# KiCad board SparkFun_GNSS_pHAT_panelized.kicad_pcb (continued)
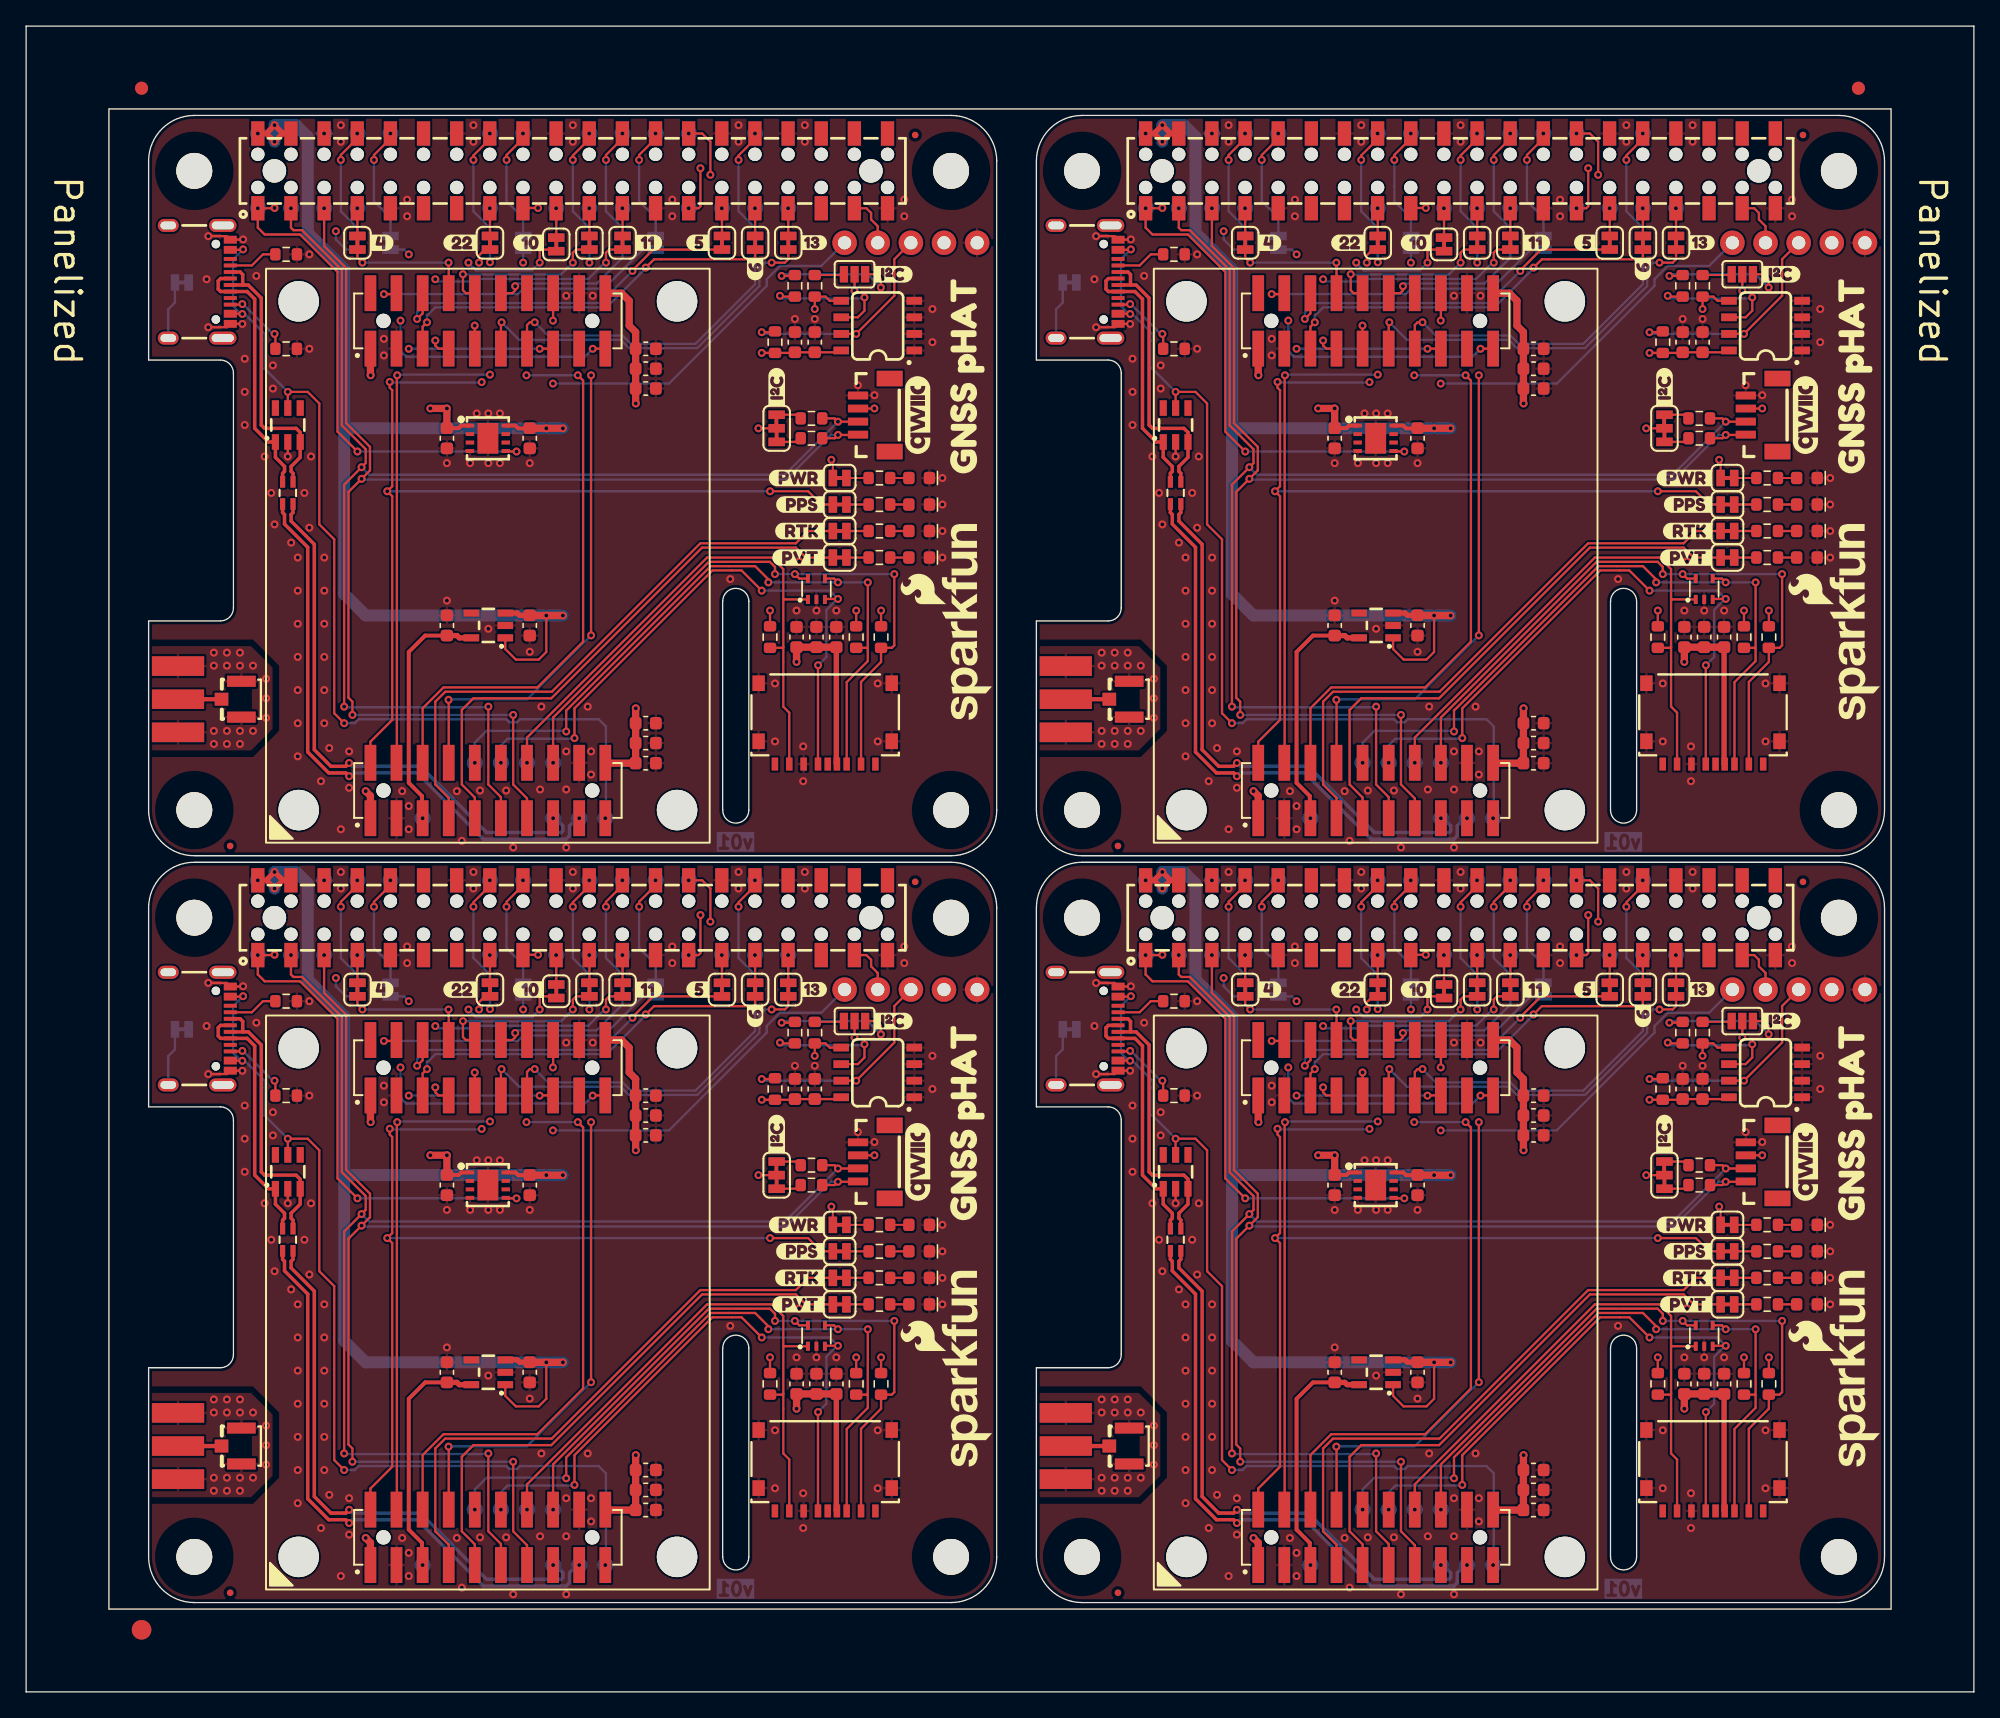
[diagram p0: board, top side]
## Footprints (pads in the part's own frame, mm; a bottom-side part is the same pattern mirrored in y, then rotated) (continued)
LED_0603_1608Metric_Red
  rrect 0.875x0.95 smd: 1(-0.787,0) 2(0.787,0)
LED_0603_1608Metric_White
  rrect 0.875x0.95 smd: 1(-0.787,0) 2(0.787,0)
LED_0603_1608Metric_Yellow
  rrect 0.875x0.95 smd: 1(-0.787,0) 2(0.787,0)
microSD_Friction_Fit_Common
  rect 0.5x1 smd: 1(3.85,-3.975) 2(2.75,-3.975) 3(1.65,-3.975) 4(0.9,-3.975) 5(-0.55,-3.975) 6(-1.65,-3.975) 7(-2.75,-3.975) 8(-3.85,-3.975) 9(0.2,-3.975)
  rect 0.95x1.2 smd: 10(-5.1,2.225) 10(-5.1,-2.225) 10(5.1,2.225) 10(5.1,-2.225)
R_0603_1608Metric
  rrect 0.8x0.95 smd: 1(-0.825,0) 2(0.825,0)
Raspberry_Pi_Shield_Top_Entry_No_Mounting_Holes
  round 1.02 hole 1.02 unplated: (-1.27,24.13) (-1.27,21.59) (-1.27,19.05) (-1.27,16.51) (-1.27,13.97) (-1.27,11.43) (-1.27,8.89) (-1.27,6.35) (-1.27,3.81) (-1.27,1.27) (-1.27,-1.27) (-1.27,-3.81) (-1.27,-6.35) (-1.27,-8.89) (-1.27,-11.43) (-1.27,-13.97) (-1.27,-16.51) (-1.27,-19.05) (-1.27,-21.59) (-1.27,-24.13) (1.27,24.13) (1.27,21.59) (1.27,19.05) (1.27,16.51) (1.27,13.97) (1.27,11.43) (1.27,8.89) (1.27,6.35) (1.27,3.81) (1.27,1.27) (1.27,-1.27) (1.27,-3.81) (1.27,-6.35) (1.27,-8.89) (1.27,-11.43) (1.27,-13.97) (1.27,-16.51) (1.27,-19.05) (1.27,-21.59) (1.27,-24.13)
  round 1.8 hole 1.8 unplated: (0,22.86) (0,-22.86)
  rect 1.87x1.02 smd: 1(-2.865,24.13) 2(2.865,24.13) 3(-2.865,21.59) 4(2.865,21.59) 5(-2.865,19.05) 6(2.865,19.05) 7(-2.865,16.51) 8(2.865,16.51) 9(-2.865,13.97) 10(2.865,13.97) 11(-2.865,11.43) 12(2.865,11.43) 13(-2.865,8.89) 14(2.865,8.89) 15(-2.865,6.35) 16(2.865,6.35) 17(-2.865,3.81) 18(2.865,3.81) 19(-2.865,1.27) 20(2.865,1.27) 21(-2.865,-1.27) 22(2.865,-1.27) 23(-2.865,-3.81) 24(2.865,-3.81) 25(-2.865,-6.35) 26(2.865,-6.35) 27(-2.865,-8.89) 28(2.865,-8.89) 29(-2.865,-11.43) 30(2.865,-11.43) 31(-2.865,-13.97) 32(2.865,-13.97) 33(-2.865,-16.51) 34(2.865,-16.51) 35(-2.865,-19.05) 36(2.865,-19.05) 37(-2.865,-21.59) 38(2.865,-21.59) 39(-2.865,-24.13) 40(2.865,-24.13)
RFCMF1220100M4T
  rect 0.9x0.4 smd: 1(-0.85,0.4) 2(0.85,0.4) 3(-0.85,-0.4) 4(0.85,-0.4)
SMA_Edge
  rect 1.5x4 smd: 1(0,0) 2(-2.54,0) 2(2.54,0)
  rect 1.5x4 smd far side: 2(-2.54,0) 2(2.54,0)
SO-8
  rect 1.2x0.6 smd: 1(-2.8,1.905) 2(-2.8,0.635) 3(-2.8,-0.635) 4(-2.8,-1.905) 5(2.8,-1.905) 6(2.8,-0.635) 7(2.8,0.635) 8(2.8,1.905)
SOT23-5
  rect 1.2x0.55 smd: 1(-1.3,0.95) 2(-1.3,0) 3(-1.3,-0.95) 4(1.3,-0.95) 5(1.3,0.95)
SOT23-6
  rect 1.2x0.55 smd: 1(-1.3,0.95) 2(-1.3,0) 3(-1.3,-0.95) 4(1.3,-0.95) 5(1.3,0) 6(1.3,0.95)
SOT-353
  rect 0.7x0.3 smd: 1(-0.8,0.65) 2(-0.8,0) 3(-0.8,-0.65) 4(0.8,-0.65) 5(0.8,0.65)
Standoff
  round 3.1 hole 3.1 unplated: (0,0)
Standoff_Hole-2.75mm_Clearance-1.625mm
  round 2.75 hole 2.75 unplated: (0,0)
TestPoint-1.25mm
  rrect 1.25x1.25 smd: 1(0,0)
U.FL
  rect 1.05x1 smd: 1(1.525,0)
  rect 2.2x0.85 smd: 2(0,1.375) 2(0,-1.375)
UDFN-8
  rect 0.65x0.3 smd: 1(-1.375,0.975) 2(-1.375,0.325) 3(-1.375,-0.325) 4(-1.375,-0.975) 5(1.375,-0.975) 6(1.375,-0.325) 7(1.375,0.325) 8(1.375,0.975)
  rect 1.6x2.35 smd: 9(0,0)
USB-C_16
  round 0.65 hole 0.65 unplated: (-2.89,-1.445) (2.89,-1.445)
  rect 0.3x1 smd: A5(-1.25,-0.34) A6(-0.25,-0.34) A7(0.25,-0.34) A8(1.25,-0.34) B5(1.75,-0.34) B6(0.75,-0.34) B7(-0.75,-0.34) B8(-1.75,-0.34)
  rect 0.6x1 smd: GND(-3.225,-0.34) GND(3.225,-0.34) VBUS(-2.45,-0.34) VBUS(2.45,-0.34)
  oval 1x1.6 hole 0.6x1.2: NC1(-4.318,-5.095) S(4.318,-5.095)
  oval 1x2.1 hole 0.6x1.7: NC2(-4.318,-0.915) NC3(4.318,-0.915)

## Nets
3.3V: C1.1 C1#2.1 C1#3.1 C1#4.1 C3.2 C3#2.2 C3#3.2 C3#4.2 C6.1 C6#2.1 C6#3.1 C6#4.1 C7.1 C7#2.1 C7#3.1 C7#4.1 C8.1 C8#2.1 C8#3.1 C8#4.1 C9.2 C9#2.2 C9#3.2 C9#4.2 C10.1 C10#2.1 C10#3.1 C10#4.1 C11.2 C11#2.2 C11#3.2 C11#4.2 C12.1 C12#2.1 C12#3.1 C12#4.1 C13.1 C13#2.1 C13#3.1 C13#4.1 C14.2 C14#2.2 C14#3.2 C14#4.2 C15.1 C15#2.1 C15#3.1 C15#4.1 J2.1 J2.20 J2#2.1 J2#2.20 J2#3.1 J2#3.20 J2#4.1 J2#4.20 J4.1 J4.20 J4#2.1 J4#2.20 J4#3.1 J4#3.20 J4#4.1 J4#4.20 J5.4 J5#2.4 J5#3.4 J5#4.4 J8.2 J8#2.2 J8#3.2 J8#4.2 J9.2 J9#2.2 J9#3.2 J9#4.2 JP1.2 JP1#2.2 JP1#3.2 JP1#4.2 JP2.2 JP2#2.2 JP2#3.2 JP2#4.2 PWR.1.2 PWR.1#2.2 PWR.1#3.2 PWR.1#4.2 R3.2 R3#2.2 R3#3.2 R3#4.2 R6.2 R6#2.2 R6#3.2 R6#4.2 R7.2 R7#2.2 R7#3.2 R7#4.2 R8.2 R8#2.2 R8#3.2 R8#4.2 U1.8 U1#2.8 U1#3.8 U1#4.8 U2.1 U2#2.1 U2#3.1 U2#4.1
5V: C2.2 C2#2.2 C2#3.2 C2#4.2 C4.2 C4#2.2 C4#3.2 C4#4.2 J1.2 J1.4 J1#2.2 J1#2.4 J1#3.2 J1#3.4 J1#4.2 J1#4.4 TP22.1 TP22#2.1 TP22#3.1 TP22#4.1 U2.8 U2#2.8 U2#3.8 U2#4.8 U3.1 U3.3 U3#2.1 U3#2.3 U3#3.1 U3#3.3 U3#4.1 U3#4.3
GND: C1.2 C1#2.2 C1#3.2 C1#4.2 C2.1 C2#2.1 C2#3.1 C2#4.1 C3.1 C3#2.1 C3#3.1 C3#4.1 C4.1 C4#2.1 C4#3.1 C4#4.1 C5.1 C5#2.1 C5#3.1 C5#4.1 C6.2 C6#2.2 C6#3.2 C6#4.2 C7.2 C7#2.2 C7#3.2 C7#4.2 C8.2 C8#2.2 C8#3.2 C8#4.2 C9.1 C9#2.1 C9#3.1 C9#4.1 C10.2 C10#2.2 C10#3.2 C10#4.2 C11.1 C11#2.1 C11#3.1 C11#4.1 C12.2 C12#2.2 C12#3.2 C12#4.2 C13.2 C13#2.2 C13#3.2 C13#4.2 C14.1 C14#2.1 C14#3.1 C14#4.1 C15.2 C15#2.2 C15#3.2 C15#4.2 D1.2 D1#2.2 D1#3.2 D1#4.2 D2.2 D2#2.2 D2#3.2 D2#4.2 D3.1 D3#2.1 D3#3.1 D3#4.1 D4.1 D4#2.1 D4#3.1 D4#4.1 D5.1 D5#2.1 D5#3.1 D5#4.1 D6.1 D6#2.1 D6#3.1 D6#4.1 J1.6 J1.9 J1.14 J1.20 J1.25 J1.30 J1.34 J1.39 J1#2.6 J1#2.9 J1#2.14 J1#2.20 J1#2.25 J1#2.30 J1#2.34 J1#2.39 J1#3.6 J1#3.9 J1#3.14 J1#3.20 J1#3.25 J1#3.30 J1#3.34 J1#3.39 J1#4.6 J1#4.9 J1#4.14 J1#4.20 J1#4.25 J1#4.30 J1#4.34 J1#4.39 J2.3 J2.18 J2#2.3 J2#2.18 J2#3.3 J2#3.18 J2#4.3 J2#4.18 J3.2 J3#2.2 J3#3.2 J3#4.2 J4.3 J4.18 J4#2.3 J4#2.18 J4#3.3 J4#3.18 J4#4.3 J4#4.18 J5.6 J5.10 J5#2.6 J5#2.10 J5#3.6 J5#3.10 J5#4.6 J5#4.10 J6.GND J6#2.GND J6#3.GND J6#4.GND J7.2 J7#2.2 J7#3.2 J7#4.2 J8.1 J8#2.1 J8#3.1 J8#4.1 J9.1 J9#2.1 J9#3.1 J9#4.1 JP3.1 JP3#2.1 JP3#3.1 JP3#4.1 R9.1 R9#2.1 R9#3.1 R9#4.1 R10.1 R10#2.1 R10#3.1 R10#4.1 TP31.1 TP31#2.1 TP31#3.1 TP31#4.1 U1.1 U1.2 U1.3 U1.4 U1#2.1 U1#2.2 U1#2.3 U1#2.4 U1#3.1 U1#3.2 U1#3.3 U1#3.4 U1#4.1 U1#4.2 U1#4.3 U1#4.4 U2.4 U2.9 U2#2.4 U2#2.9 U2#3.4 U2#3.9 U2#4.4 U2#4.9 U3.2 U3#2.2 U3#3.2 U3#4.2
CTS2: J4.7 J4#2.7 J4#3.7 J4#4.7 JP11.2 JP11#2.2 JP11#3.2 JP11#4.2
CTS3: J4.4 J4#2.4 J4#3.4 J4#4.4 JP7.2 JP7#2.2 JP7#3.2 JP7#4.2
D+: J2.17 J2#2.17 J2#3.17 J2#4.17 TP25.1 TP25#2.1 TP25#3.1 TP25#4.1 TR1.4 TR1#2.4 TR1#3.4 TR1#4.4
D-: J2.15 J2#2.15 J2#3.15 J2#4.15 TP24.1 TP24#2.1 TP24#3.1 TP24#4.1 TR1.2 TR1#2.2 TR1#3.2 TR1#4.2
EVENTA: J2.6 J2#2.6 J2#3.6 J2#4.6 JP24.1 JP24#2.1 JP24#3.1 JP24#4.1
EVENTB: J2.8 J2#2.8 J2#3.8 J2#4.8 JP25.1 JP25#2.1 JP25#3.1 JP25#4.1
GPIO26: J1.37 J1#2.37 J1#3.37 J1#4.37 J9.4 J9#2.4 J9#3.4 J9#4.4
ID_SC: J1.28 J1#2.28 J1#3.28 J1#4.28 R1.1 R1#2.1 R1#3.1 R1#4.1 TP2.1 TP2#2.1 TP2#3.1 TP2#4.1 U1.6 U1#2.6 U1#3.6 U1#4.6
ID_SD: J1.27 J1#2.27 J1#3.27 J1#4.27 R2.1 R2#2.1 R2#3.1 R2#4.1 TP1.1 TP1#2.1 TP1#3.1 TP1#4.1 U1.5 U1#2.5 U1#3.5 U1#4.5
Pi_3V3: J1.1 J1.17 J1#2.1 J1#2.17 J1#3.1 J1#3.17 J1#4.1 J1#4.17 TP23.1 TP23#2.1 TP23#3.1 TP23#4.1 U2.5 U2#2.5 U2#3.5 U2#4.5
PPS1: J2.2 J2#2.2 J2#3.2 J2#4.2 JP22.1 JP22#2.1 JP22#3.1 JP22#4.1 PPS1.1.1 PPS1.1#2.1 PPS1.1#3.1 PPS1.1#4.1
PPS2: J2.4 J2#2.4 J2#3.4 J2#4.4 JP23.1 JP23#2.1 JP23#3.1 JP23#4.1
PVT_LED: J2.9 J2#2.9 J2#3.9 J2#4.9 PVT.1.1 PVT.1#2.1 PVT.1#3.1 PVT.1#4.1
RTK_LED: J2.7 J2#2.7 J2#3.7 J2#4.7 RTK.1.1 RTK.1#2.1 RTK.1#3.1 RTK.1#4.1
RTS2: J4.9 J4#2.9 J4#3.9 J4#4.9 JP10.2 JP10#2.2 JP10#3.2 JP10#4.2
RTS3: J4.5 J4#2.5 J4#3.5 J4#4.5 JP6.2 JP6#2.2 JP6#3.2 JP6#4.2
RXD1: J4.19 J4#2.19 J4#3.19 J4#4.19 JP14.1 JP14#2.1 JP14#3.1 JP14#4.1
RXD2: J4.12 J4#2.12 J4#3.12 J4#4.12 JP8.2 JP8#2.2 JP8#3.2 JP8#4.2
RXD3: J4.8 J4#2.8 J4#3.8 J4#4.8 JP4.2 JP4#2.2 JP4#3.2 JP4#4.2
RXD4: J4.13 J4#2.13 J4#3.13 J4#4.13 JP12.2 JP12#2.2 JP12#3.2 JP12#4.2
SCL: J1.5 J1#2.5 J1#3.5 J1#4.5 J2.13 J2#2.13 J2#3.13 J2#4.13 J8.4 J8#2.4 J8#3.4 J8#4.4 R5.1 R5#2.1 R5#3.1 R5#4.1 TP4.1 TP4#2.1 TP4#3.1 TP4#4.1
SD_CLK: D2.3 D2#2.3 D2#3.3 D2#4.3 J2.12 J2#2.12 J2#3.12 J2#4.12 J5.5 J5#2.5 J5#3.5 J5#4.5 TP29.1 TP29#2.1 TP29#3.1 TP29#4.1
SD_CMD: D2.4 D2#2.4 D2#3.4 D2#4.4 J2.10 J2#2.10 J2#3.10 J2#4.10 J5.3 J5#2.3 J5#3.3 J5#4.3 R7.1 R7#2.1 R7#3.1 R7#4.1 TP30.1 TP30#2.1 TP30#3.1 TP30#4.1
SD_DAT0: D2.1 D2#2.1 D2#3.1 D2#4.1 J2.14 J2#2.14 J2#3.14 J2#4.14 J5.7 J5#2.7 J5#3.7 J5#4.7 R8.1 R8#2.1 R8#3.1 R8#4.1 TP28.1 TP28#2.1 TP28#3.1 TP28#4.1
SD_DAT3: D2.5 D2#2.5 D2#3.5 D2#4.5 J2.16 J2#2.16 J2#3.16 J2#4.16 J5.2 J5#2.2 J5#3.2 J5#4.2 R6.1 R6#2.1 R6#3.1 R6#4.1 TP27.1 TP27#2.1 TP27#3.1 TP27#4.1
SDA: J1.3 J1#2.3 J1#3.3 J1#4.3 J2.11 J2#2.11 J2#3.11 J2#4.11 J8.3 J8#2.3 J8#3.3 J8#4.3 R4.1 R4#2.1 R4#3.1 R4#4.1 TP3.1 TP3#2.1 TP3#3.1 TP3#4.1
TXD1: J4.15 J4#2.15 J4#3.15 J4#4.15 JP15.1 JP15#2.1 JP15#3.1 JP15#4.1
TXD2: J4.10 J4#2.10 J4#3.10 J4#4.10 JP9.2 JP9#2.2 JP9#3.2 JP9#4.2
TXD3: J4.6 J4#2.6 J4#3.6 J4#4.6 JP5.2 JP5#2.2 JP5#3.2 JP5#4.2
TXD4: J4.11 J4#2.11 J4#3.11 J4#4.11 JP13.2 JP13#2.2 JP13#3.2 JP13#4.2
VBACKUP: C5.2 C5#2.2 C5#3.2 C5#4.2 J2.5 J2#2.5 J2#3.5 J2#4.5 TP21.1 TP21#2.1 TP21#3.1 TP21#4.1 U3.5 U3#2.5 U3#3.5 U3#4.5
VUSB: D1.5 D1#2.5 D1#3.5 D1#4.5 J2.19 J2#2.19 J2#3.19 J2#4.19 J6.VBUS J6#2.VBUS J6#3.VBUS J6#4.VBUS TP26.1 TP26#2.1 TP26#3.1 TP26#4.1
WP: J9.3 J9#2.3 J9#3.3 J9#4.3 R3.1 R3#2.1 R3#3.1 R3#4.1 U1.7 U1#2.7 U1#3.7 U1#4.7
~{RST}: J4.16 J4#2.16 J4#3.16 J4#4.16 J9.5 J9#2.5 J9#3.5 J9#4.5
Net-(D1-I/O1): D1.1 D1#2.1 D1#3.1 D1#4.1 J6.A6 J6.B6 J6#2.A6 J6#2.B6 J6#3.A6 J6#3.B6 J6#4.A6 J6#4.B6 TR1.3 TR1#2.3 TR1#3.3 TR1#4.3
Net-(D1-I/O2): D1.3 D1#2.3 D1#3.3 D1#4.3 J6.A7 J6.B7 J6#2.A7 J6#2.B7 J6#3.A7 J6#3.B7 J6#4.A7 J6#4.B7 TR1.1 TR1#2.1 TR1#3.1 TR1#4.1
Net-(D3-A): D3.2 D3#2.2 D3#3.2 D3#4.2 R11.1 R11#2.1 R11#3.1 R11#4.1
Net-(D4-A): D4.2 D4#2.2 D4#3.2 D4#4.2 R12.1 R12#2.1 R12#3.1 R12#4.1
Net-(D5-A): D5.2 D5#2.2 D5#3.2 D5#4.2 R13.1 R13#2.1 R13#3.1 R13#4.1
Net-(D6-A): D6.2 D6#2.2 D6#3.2 D6#4.2 R14.2 R14#2.2 R14#3.2 R14#4.2
Net-(J1-GCLK0/GPIO4): J1.7 J1#2.7 J1#3.7 J1#4.7 JP4.1 JP4#2.1 JP4#3.1 JP4#4.1 TP5.1 TP5#2.1 TP5#3.1 TP5#4.1
Net-(J1-GCLK1/GPIO5): J1.29 J1#2.29 J1#3.29 J1#4.29 JP5.1 JP5#2.1 JP5#3.1 JP5#4.1 TP6.1 TP6#2.1 TP6#3.1 TP6#4.1
Net-(J1-GCLK2/GPIO6): J1.31 J1#2.31 J1#3.31 J1#4.31 JP6.1 JP6#2.1 JP6#3.1 JP6#4.1 TP7.1 TP7#2.1 TP7#3.1 TP7#4.1
Net-(J1-GPIO14/TXD): J1.8 J1#2.8 J1#3.8 J1#4.8 JP14.2 JP14#2.2 JP14#3.2 JP14#4.2 TP15.1 TP15#2.1 TP15#3.1 TP15#4.1
Net-(J1-GPIO15/RXD): J1.10 J1#2.10 J1#3.10 J1#4.10 JP15.2 JP15#2.2 JP15#3.2 JP15#4.2 TP16.1 TP16#2.1 TP16#3.1 TP16#4.1
Net-(J1-GPIO22): J1.15 J1#2.15 J1#3.15 J1#4.15 JP22.2 JP22#2.2 JP22#3.2 JP22#4.2 TP17.1 TP17#2.1 TP17#3.1 TP17#4.1
Net-(J1-GPIO23): J1.16 J1#2.16 J1#3.16 J1#4.16 JP23.2 JP23#2.2 JP23#3.2 JP23#4.2 TP18.1 TP18#2.1 TP18#3.1 TP18#4.1
Net-(J1-GPIO24): J1.18 J1#2.18 J1#3.18 J1#4.18 JP24.2 JP24#2.2 JP24#3.2 JP24#4.2 TP19.1 TP19#2.1 TP19#3.1 TP19#4.1
Net-(J1-GPIO25): J1.22 J1#2.22 J1#3.22 J1#4.22 JP25.2 JP25#2.2 JP25#3.2 JP25#4.2 TP20.1 TP20#2.1 TP20#3.1 TP20#4.1
Net-(J1-PICO0/GPIO10): J1.19 J1#2.19 J1#3.19 J1#4.19 JP10.1 JP10#2.1 JP10#3.1 JP10#4.1 TP11.1 TP11#2.1 TP11#3.1 TP11#4.1
Net-(J1-POCI0/GPIO9): J1.21 J1#2.21 J1#3.21 J1#4.21 JP9.1 JP9#2.1 JP9#3.1 JP9#4.1 TP10.1 TP10#2.1 TP10#3.1 TP10#4.1
Net-(J1-PWM0/GPIO12): J1.32 J1#2.32 J1#3.32 J1#4.32 JP12.1 JP12#2.1 JP12#3.1 JP12#4.1 TP13.1 TP13#2.1 TP13#3.1 TP13#4.1
Net-(J1-PWM1/GPIO13): J1.33 J1#2.33 J1#3.33 J1#4.33 JP13.1 JP13#2.1 JP13#3.1 JP13#4.1 TP14.1 TP14#2.1 TP14#3.1 TP14#4.1
Net-(J1-SCLK0/GPIO11): J1.23 J1#2.23 J1#3.23 J1#4.23 JP11.1 JP11#2.1 JP11#3.1 JP11#4.1 TP12.1 TP12#2.1 TP12#3.1 TP12#4.1
Net-(J1-~{CE0}/GPIO8): J1.24 J1#2.24 J1#3.24 J1#4.24 JP8.1 JP8#2.1 JP8#3.1 JP8#4.1 TP9.1 TP9#2.1 TP9#3.1 TP9#4.1
Net-(J1-~{CE1}/GPIO7): J1.26 J1#2.26 J1#3.26 J1#4.26 JP7.1 JP7#2.1 JP7#3.1 JP7#4.1 TP8.1 TP8#2.1 TP8#3.1 TP8#4.1
Net-(J3-In): J3.1 J3#2.1 J3#3.1 J3#4.1 J7.1 J7#2.1 J7#3.1 J7#4.1
Net-(J6-CC1): J6.A5 J6#2.A5 J6#3.A5 J6#4.A5 R9.2 R9#2.2 R9#3.2 R9#4.2
Net-(J6-CC2): J6.B5 J6#2.B5 J6#3.B5 J6#4.B5 R10.2 R10#2.2 R10#3.2 R10#4.2
Net-(J6-SHIELD): J6.S J6#2.S J6#3.S J6#4.S JP3.2 JP3#2.2 JP3#3.2 JP3#4.2
Net-(JP1-A): JP1.1 JP1#2.1 JP1#3.1 JP1#4.1 R5.2 R5#2.2 R5#3.2 R5#4.2
Net-(JP1-C): JP1.3 JP1#2.3 JP1#3.3 JP1#4.3 R4.2 R4#2.2 R4#3.2 R4#4.2
Net-(JP2-A): JP2.1 JP2#2.1 JP2#3.1 JP2#4.1 R1.2 R1#2.2 R1#3.2 R1#4.2
Net-(JP2-C): JP2.3 JP2#2.3 JP2#3.3 JP2#4.3 R2.2 R2#2.2 R2#3.2 R2#4.2
Net-(PPS1.1-B): PPS1.1.2 PPS1.1#2.2 PPS1.1#3.2 PPS1.1#4.2 R13.2 R13#2.2 R13#3.2 R13#4.2
Net-(PVT.1-B): PVT.1.2 PVT.1#2.2 PVT.1#3.2 PVT.1#4.2 R12.2 R12#2.2 R12#3.2 R12#4.2
Net-(PWR.1-A): PWR.1.1 PWR.1#2.1 PWR.1#3.1 PWR.1#4.1 R14.1 R14#2.1 R14#3.1 R14#4.1
Net-(RTK.1-B): R11.2 R11#2.2 R11#3.2 R11#4.2 RTK.1.2 RTK.1#2.2 RTK.1#3.2 RTK.1#4.2

Pads without a net: D1 4 6; D1#2 4 6; D1#3 4 6; D1#4 4 6; J1 11 12 13 35 36 38 40; J1#2 11 12 13 35 36 38 40; J1#3 11 12 13 35 36 38 40; J1#4 11 12 13 35 36 38 40; J4 2 14 17; J4#2 2 14 17; J4#3 2 14 17; J4#4 2 14 17; J5 1 8 9; J5#2 1 8 9; J5#3 1 8 9; J5#4 1 8 9; J6 A8 B8 NC1 NC2 NC3; J6#2 A8 B8 NC1 NC2 NC3; J6#3 A8 B8 NC1 NC2 NC3; J6#4 A8 B8 NC1 NC2 NC3; J8 NC1 NC2; J8#2 NC1 NC2; J8#3 NC1 NC2; J8#4 NC1 NC2; U2 2 3 6 7; U2#2 2 3 6 7; U2#3 2 3 6 7; U2#4 2 3 6 7; U3 4; U3#2 4; U3#3 4; U3#4 4

## Via types
v1: diameter 0.61, hole 0.305, Top to Bottom, 1064 vias

## Routing (per net, layer and track width the routed paths; a pad name or vN(x,y) marks a point on that pad's centre or on a via; arc(x,y) is an arc through that point)
3.3V: length 215.8
  Top w0.152: PWR.1#3.2 129.87,94.34 v1(129.75,94.45) ; v1(129.75,37.2) 129.87,37.09 PWR.1#2.2 ; v1(61.71,37.2) 61.83,37.09 PWR.1.2 ; v1(61.71,94.45) 61.83,94.34 PWR.1#4.2
  Top w0.178: v1(124.42,45.39) R3#4.2 126.91,45.39 126.96,45.45 130.37,45.45 U1#2.8 ; v1(124.42,102.65) R3.2 126.91,102.65 C1#3.1 C6#2.1 130.37,102.7 U1#4.8 ; JP2#3.2 v1(63.49,107.41) ; v1(56.38,45.39) R3#2.2 58.87,45.39 58.92,45.45 62.33,45.45 U1#3.8 ; R8#4.2 v1(125.06,82.9) ; R8#3.2 v1(125.06,25.65) ; v1(65.02,98.39) 65.01,98.38 J8#3.2 ; J8#2.2 133.05,41.13 v1(133.06,41.14) ; R8.2 v1(57.01,25.65) ; R8#2.2 v1(57.01,82.9) ; R7.2 v1(131.66,82.9) ; R6.2 v1(65.52,82.9) ; R6#2.2 v1(133.56,25.65) ; JP1#3.2 v1(124.17,39.62) ; JP2#4.2 v1(63.49,50.16) ; v1(56.38,102.65) R3#3.2 58.87,102.65 C1.1 C6#4.1 62.33,102.7 U1.8 ; R6#3.2 v1(133.56,82.9) ; v1(65.02,41.14) 65.01,41.13 J8.2 ; R7#3.2 v1(63.62,82.9) ; v1(133.06,98.39) 133.05,98.38 J8#4.2 ; JP2.2 v1(131.53,50.16) ; JP2#2.2 v1(131.53,107.41) ; R6#4.2 v1(65.52,25.65) ; JP1.2 v1(56.13,96.87) ; R7#2.2 v1(131.66,25.65) ; JP1#2.2 v1(124.17,96.87) ; R7#4.2 v1(63.62,25.65) ; JP1#4.2 v1(56.13,39.62)
  Top w0.305: C3#4.2 101.19,39.63 101.39,39.83 U2.1 ; C3#2.2 33.15,39.63 33.35,39.83 U2#4.1 ; U2#3.1 101.39,97.08 101.19,96.88 C3.2 ; U2#2.1 33.35,97.08 33.15,96.88 C3#3.2
  Top w0.406: J5#4.4 62.09,71.17 C7.1 ; C7#3.1 130.13,13.92 130.18,13.88 ; C7#4.1 130.13,71.17 J5#2.4 ; 62.14,13.88 62.09,13.92 C7#2.1
  Top w0.559: v1(26.03,11.8) 26.39,11.44 J2.1 ; C3#2.2 v1(32.25,41.14) v1(30.98,41.14) ; J4#3.20 113.68,107.22 114.26,106.65 114.26,104.74 114.75,104.25 C13.1 C14.2 C15#4.1 114.75,98.78 v1(114.77,98.77) ; J2#3.20 112.46,13.94 C10#2.1 C11#2.2 C12#2.1 114.75,18.14 v1(114.77,18.15) ; v1(127.09,78.96) C8#4.1 C9#4.2 C7#4.1 ; v1(26.41,100.93) 26.39,100.95 J4#4.1 ; v1(26.03,69.05) 26.39,68.69 26.39,66.98 ; v1(99.02,41.14) v1(100.29,41.14) C3#4.2 ; J4#2.20 45.64,49.98 46.22,49.39 46.22,47.49 46.72,47 46.72,41.53 v1(46.73,41.52) ; J4#4.20 45.64,107.22 46.22,106.65 46.22,104.74 46.72,104.25 46.72,98.78 v1(46.73,98.77) ; C3.2 v1(100.29,98.39) v1(99.02,98.39) ; J2#2.20 44.42,71.19 46.72,71.19 46.72,75.39 v1(46.73,75.4) ; v1(59.05,78.96) C8#2.1 C9#2.2 C7.1 ; C7#2.1 C9#3.2 C8.1 v1(59.05,21.71) ; v1(94.07,11.8) 94.43,11.44 J2#3.1 ; J4#2.1 26.39,43.7 v1(26.41,43.68) ; C7#3.1 C9.2 C8#3.1 v1(127.09,21.71) ; v1(30.98,98.39) v1(32.25,98.39) C3#3.2 ; J2.20 44.42,13.94 46.72,13.94 46.72,18.14 v1(46.73,18.15) ; v1(114.77,75.4) 114.75,75.39 C12#3.1 C11#3.2 C10#4.1 112.46,71.19 J2#4.20 ; v1(114.77,41.52) 114.75,41.53 C15#2.1 C14#2.2 C13#2.1 114.75,47 114.26,47.49 114.26,49.39 113.68,49.98 J4.20 ; 94.43,66.98 94.43,68.69 v1(94.07,69.05) ; v1(94.45,43.68) 94.43,43.7 J4.1 ; J4#3.1 94.43,100.95 v1(94.45,100.93)
5V: length 383.8
  Top w0.178: v1(39.87,25.27) 39.87,22.47 39.29,21.89 37.53,21.89 36.73,22.69 U3#3.1 ; U3.1 104.77,79.94 105.57,79.14 107.33,79.14 107.91,79.72 v1(107.91,82.52) ; v1(107.91,25.27) 107.91,22.47 107.33,21.89 105.57,21.89 104.77,22.69 U3#4.1 ; v1(39.87,82.52) 39.87,79.72 39.29,79.14 37.53,79.14 36.73,79.94 U3#2.1
  Top w0.305: U2#2.8 37.5,97.08 37.72,96.86 38.44,96.86 ; 106.48,39.61 105.75,39.61 105.54,39.83 U2.8 ; 106.48,96.86 105.75,96.86 105.54,97.08 U2#3.8 ; 38.44,39.61 37.72,39.61 37.5,39.83 U2#4.8
  Top w0.406: C4#2.2 37.82,82.53 37.65,82.7 U3#2.3 ; 86.44,119.47 v1(87.08,120.11) 87.72,119.47 J1#3.4 87.71,119.47 v1(87.08,118.84) 86.45,119.47 ; 18.4,62.22 v1(19.04,62.86) 19.68,62.22 J1#2.4 19.67,62.22 v1(19.04,61.59) 18.41,62.22 ; 18.4,119.47 v1(19.04,120.11) 19.68,119.47 J1#4.4 19.67,119.47 v1(19.04,118.84) 18.41,119.47 ; U3#3.3 37.65,25.45 37.82,25.28 C4#3.2 ; 86.44,62.22 v1(87.08,62.86) 87.72,62.22 J1.4 87.71,62.22 v1(87.08,61.59) 86.45,62.22 ; C4#4.2 105.86,25.28 105.69,25.45 U3#4.3 ; U3.3 105.69,82.7 105.86,82.53 C4.2
  Top w0.559: 38.44,82.56 38.48,82.52 v1(41.14,82.52) ; v1(41.14,39.62) 38.44,39.62 38.44,39.61 ; v1(109.18,82.52) 106.52,82.52 106.48,82.56 ; v1(109.18,96.87) 106.48,96.87 106.48,96.86 ; 38.44,96.86 38.44,96.87 v1(41.14,96.87) ; v1(41.14,25.27) 38.48,25.27 38.44,25.31 ; v1(109.18,39.62) 106.48,39.62 106.48,39.61 ; 106.48,25.31 106.52,25.27 v1(109.18,25.27)
  Bottom w0.152: TP22.1 85.81,119.47 v1(85.8,119.47) ; TP22#2.1 85.81,62.22 v1(85.8,62.22) ; TP22#4.1 17.77,119.47 v1(17.76,119.47) ; v1(17.76,62.22) 17.77,62.22 TP22#3.1
  Bottom w0.914: 92.42,39.62 92.42,26.92 94.07,25.27 v1(109.18,25.27) ; 92.42,39.62 v1(109.18,39.62) ; 92.42,39.62 92.42,51.81 89.62,54.6 89.62,61.97 88.73,62.86 v1(87.08,62.86) v1(87.08,61.59) ; v1(41.14,25.27) 26.03,25.27 24.38,26.92 24.38,39.62 ; v1(41.14,82.52) 26.03,82.52 24.38,84.17 24.38,96.87 ; v1(19.04,61.59) v1(19.04,62.86) 20.69,62.86 21.58,61.97 21.58,54.6 24.38,51.81 24.38,39.62 ; 24.38,96.87 24.38,109.06 21.58,111.85 21.58,119.22 20.69,120.11 v1(19.04,120.11) v1(19.04,118.84) ; 24.38,96.87 v1(41.14,96.87) ; 92.42,96.87 92.42,109.06 89.62,111.85 89.62,119.22 88.73,120.11 v1(87.08,120.11) v1(87.08,118.84) ; 92.42,96.87 92.42,84.17 94.07,82.52 v1(109.18,82.52) ; 92.42,96.87 v1(109.18,96.87) ; 24.38,39.62 v1(41.14,39.62)
  vias: v1(39.87,96.87) v1(39.87,39.62) v1(107.91,96.87) v1(107.91,39.62)
GND: length 26.5
  Top w0.178: v1(84.61,47.62) 84.6,47.62 J6.GND 83.43,47.36 v1(82,47.36) ; v1(13.96,54.35) 15.38,54.35 J6#4.GND 16.61,54.08 v1(16.63,54.09) ; v1(16.57,47.62) 16.56,47.62 J6#4.GND 15.39,47.36 v1(13.96,47.36) ; v1(82,111.6) 83.42,111.6 J6#3.GND 84.65,111.33 v1(84.67,111.34) ; v1(13.96,104.61) 15.39,104.61 J6#2.GND 16.56,104.88 v1(16.57,104.87) ; v1(13.96,111.6) 15.38,111.6 J6#2.GND 16.61,111.33 v1(16.63,111.34) ; D1.2 v1(88.1,94.71) ; v1(84.67,54.09) 84.65,54.08 J6.GND 83.42,54.35 v1(82,54.35) ; v1(82,104.61) 83.43,104.61 J6#3.GND 84.6,104.88 v1(84.61,104.87) ; D1#2.2 v1(20.06,94.71) ; D1#4.2 v1(88.1,37.46) ; D1#3.2 v1(20.06,37.46)
  Bottom w0.152: TP31.1 22.85,62.22 v1(22.84,62.22) ; TP31#4.1 90.89,119.47 v1(90.88,119.47) ; TP31#3.1 90.89,62.22 v1(90.88,62.22) ; v1(22.84,119.47) 22.85,119.47 TP31#2.1
  vias: v1(13.83,108.3) v1(13.83,51.05) v1(14.39,79.67) v1(14.39,78.67) v1(14.39,73.67) v1(14.39,72.67) v1(14.39,22.42) v1(14.39,21.42) v1(14.39,16.42) v1(14.39,15.42) v1(15.39,79.67) v1(15.39,78.67) v1(15.39,73.67) v1(15.39,72.67) v1(15.39,22.42) v1(15.39,21.42) v1(15.39,16.42) v1(15.39,15.42) v1(16.39,79.67) v1(16.39,78.67) v1(16.39,73.67) v1(16.39,72.67) v1(16.39,22.42) v1(16.39,21.42) v1(16.39,16.42) v1(16.39,15.42) v1(16.76,102.2) v1(16.76,99.66) v1(16.76,97.12) v1(16.76,44.95) v1(16.76,42.41) v1(16.76,39.87) v1(17.39,78.67) v1(17.39,73.67) v1(17.39,21.42) v1(17.39,16.42) v1(17.64,108.55) v1(17.64,51.3) v1(18.28,94.71) v1(18.28,37.46) v1(18.39,77.67) v1(18.39,76.17) v1(18.39,74.67) v1(18.39,20.42) v1(18.39,18.92) v1(18.39,17.42) v1(18.79,91.91) v1(18.79,34.66) v1(18.91,101.69) v1(18.91,99.91) v1(18.91,44.44) v1(18.91,42.66) v1(19.04,89.5) v1(19.04,32.25) v1(20.31,88.1) v1(20.31,30.85) v1(20.82,86.96) v1(20.82,84.42) v1(20.82,81.88) v1(20.82,79.34) v1(20.82,76.8) v1(20.82,74.26) v1(20.82,71.72) v1(20.82,29.71) v1(20.82,27.17) v1(20.82,24.63) v1(20.82,22.09) v1(20.82,19.55) v1(20.82,17.01) v1(20.82,14.47) v1(21.33,91.91) v1(21.33,34.66) v1(21.71,110.2) v1(21.71,102.96) v1(21.71,89.25) v1(21.71,52.95) v1(21.71,45.71) v1(21.71,32) v1(21.84,94.71) v1(21.84,37.46) v1(22.6,69.81) v1(22.6,12.56) v1(22.85,86.96) v1(22.85,84.42) v1(22.85,81.88) v1(22.85,79.34) v1(22.85,76.8) v1(22.85,74.26) v1(22.85,29.71) v1(22.85,27.17) v1(22.85,24.63) v1(22.85,22.09) v1(22.85,19.55) v1(22.85,17.01) v1(23.23,72.36) v1(23.23,15.11) v1(24.12,120.11) v1(24.12,118.84) v1(24.12,66.13) v1(24.12,62.86) v1(24.12,61.59) v1(24.12,8.88) v1(24.76,72.1) v1(24.76,69.31) v1(24.76,14.85) v1(24.76,12.06) v1(27.42,103.72) v1(27.42,102.45) v1(27.42,46.47) v1(27.42,45.2) v1(28.82,69.05) v1(28.82,11.8) v1(29.2,114.39) v1(29.2,113.12) v1(29.2,57.14) v1(29.2,55.87) v1(29.33,67.91) v1(29.33,66.13) v1(29.33,10.66) v1(29.33,8.88) v1(32.25,94.2) v1(32.25,83.66) v1(32.25,36.95) v1(32.25,26.41) v1(33.01,69.05) v1(33.01,11.8) v1(33.39,65.24) v1(33.39,7.99) v1(34.03,94.2) v1(34.03,36.95) v1(34.28,120.11) v1(34.28,118.84) v1(34.28,62.86) v1(34.28,61.59) v1(34.54,98.01) v1(34.54,40.76) v1(34.79,69.1) v1(34.79,11.85) v1(35.42,98.01) v1(35.42,94.2) v1(35.42,81.5) v1(35.42,40.76) v1(35.42,36.95) v1(35.42,24.25) v1(36.31,98.01) v1(36.31,94.2) v1(36.31,40.76) v1(36.31,36.95) v1(36.79,69.1) v1(36.79,11.85) v1(37.33,64.73) v1(37.33,7.48) v1(38.6,94.2) v1(38.6,79.73) v1(38.6,36.95) v1(38.6,22.48) v1(39.39,69.18) v1(39.39,11.93) v1(39.49,75.53) v1(39.49,18.28) v1(41.39,107.03) v1(41.39,72.1) v1(41.39,69.18) v1(41.39,64.73) v1(41.39,49.78) v1(41.39,14.85) v1(41.39,11.93) v1(41.39,7.48) v1(41.9,120.11) v1(41.9,118.84) v1(41.9,62.86) v1(41.9,61.59) v1(43.04,75.53) v1(43.04,18.28) v1(43.3,72.1) v1(43.3,70.32) v1(43.3,14.85) v1(43.3,13.07) v1(43.43,107.03) v1(43.43,49.78) v1(49.52,114.39) v1(49.52,113.12) v1(49.52,57.14) v1(49.52,55.87) v1(53.97,85.31) v1(53.97,28.06) v1(54.6,120.11) v1(54.6,118.84) v1(54.6,62.86) v1(54.6,61.59) v1(57.4,77.31) v1(57.4,72.86) v1(57.4,20.06) v1(57.4,15.61) v1(58.92,105.25) v1(58.92,48) v1(59.05,82.9) v1(59.05,25.65) v1(59.25,86.65) v1(59.25,29.4) v1(59.56,72.48) v1(59.56,69.81) v1(59.56,15.23) v1(59.56,12.56) v1(59.68,120.11) v1(59.68,118.84) v1(59.68,62.86) v1(59.68,61.59) v1(60.44,105.25) v1(60.44,48) v1(60.57,82.9) v1(60.57,25.65) v1(62.09,82.9) v1(62.09,25.65) v1(63.75,100.17) v1(63.75,42.92) v1(65.02,99.41) v1(65.02,42.16) v1(65.27,77.31) v1(65.27,72.86) v1(65.27,20.06) v1(65.27,15.61) v1(67.3,114.39) v1(67.3,113.12) v1(67.3,57.14) v1(67.3,55.87) v1(69.46,106.01) v1(69.46,103.47) v1(69.46,48.76) v1(69.46,46.22) v1(70.22,93.06) v1(70.22,91.02) v1(70.22,88.99) v1(70.22,86.96) v1(70.22,35.81) v1(70.22,33.77) v1(70.22,31.74) v1(70.22,29.71) v1(81.88,108.3) v1(81.88,51.05) v1(82.43,79.67) v1(82.43,78.67) v1(82.43,73.67) v1(82.43,72.67) v1(82.43,22.42) v1(82.43,21.42) v1(82.43,16.42) v1(82.43,15.42) v1(83.43,79.67) v1(83.43,78.67) v1(83.43,73.67) v1(83.43,72.67) v1(83.43,22.42) v1(83.43,21.42) v1(83.43,16.42) v1(83.43,15.42) v1(84.43,79.67) v1(84.43,78.67) v1(84.43,73.67) v1(84.43,72.67) v1(84.43,22.42) v1(84.43,21.42) v1(84.43,16.42) v1(84.43,15.42) v1(84.8,102.2) v1(84.8,99.66) v1(84.8,97.12) v1(84.8,44.95) v1(84.8,42.41) v1(84.8,39.87) v1(85.43,78.67) v1(85.43,73.67) v1(85.43,21.42) v1(85.43,16.42) v1(85.69,108.55) v1(85.69,51.3) v1(86.32,94.71) v1(86.32,37.46) v1(86.43,77.67) v1(86.43,76.17) v1(86.43,74.67) v1(86.43,20.42) v1(86.43,18.92) v1(86.43,17.42) v1(86.83,91.91) v1(86.83,34.66) v1(86.95,101.69) v1(86.95,99.91) v1(86.95,44.44) v1(86.95,42.66) v1(87.08,89.5) v1(87.08,32.25) v1(88.35,88.1) v1(88.35,30.85) v1(88.86,86.96) v1(88.86,84.42) v1(88.86,81.88) v1(88.86,79.34) v1(88.86,76.8) v1(88.86,74.26) v1(88.86,71.72) v1(88.86,29.71) v1(88.86,27.17) v1(88.86,24.63) v1(88.86,22.09) v1(88.86,19.55) v1(88.86,17.01) v1(88.86,14.47) v1(89.37,91.91) v1(89.37,34.66) v1(89.75,110.2) v1(89.75,102.96) v1(89.75,89.25) v1(89.75,52.95) v1(89.75,45.71) v1(89.75,32) v1(89.88,94.71) v1(89.88,37.46) v1(90.64,69.81) v1(90.64,12.56) v1(90.89,86.96) v1(90.89,84.42) v1(90.89,81.88) v1(90.89,79.34) v1(90.89,76.8) v1(90.89,74.26) v1(90.89,29.71) v1(90.89,27.17) v1(90.89,24.63) v1(90.89,22.09) v1(90.89,19.55) v1(90.89,17.01) v1(91.27,72.36) v1(91.27,15.11) v1(92.16,120.11) v1(92.16,118.84) v1(92.16,66.13) v1(92.16,62.86) v1(92.16,61.59) v1(92.16,8.88) v1(92.8,72.1) v1(92.8,69.31) v1(92.8,14.85) v1(92.8,12.06) v1(95.46,103.72) v1(95.46,102.45) v1(95.46,46.47) v1(95.46,45.2) v1(96.86,69.05) v1(96.86,11.8) v1(97.24,114.39) v1(97.24,113.12) v1(97.24,57.14) v1(97.24,55.87) v1(97.37,67.91) v1(97.37,66.13) v1(97.37,10.66) v1(97.37,8.88) v1(100.29,94.2) v1(100.29,83.66) v1(100.29,36.95) v1(100.29,26.41) v1(101.05,69.05) v1(101.05,11.8) v1(101.43,65.24) v1(101.43,7.99) v1(102.07,94.2) v1(102.07,36.95) v1(102.32,120.11) v1(102.32,118.84) v1(102.32,62.86) v1(102.32,61.59) v1(102.58,98.01) v1(102.58,40.76) v1(102.83,69.1) v1(102.83,11.85) v1(103.47,98.01) v1(103.47,94.2) v1(103.47,81.5) v1(103.47,40.76) v1(103.47,36.95) v1(103.47,24.25) v1(104.35,98.01) v1(104.35,94.2) v1(104.35,40.76) v1(104.35,36.95) v1(104.83,69.1) v1(104.83,11.85) v1(105.37,64.73) v1(105.37,7.48) v1(106.64,94.2) v1(106.64,79.73) v1(106.64,36.95) v1(106.64,22.48) v1(107.43,69.18) v1(107.43,11.93) v1(107.53,75.53) v1(107.53,18.28) v1(109.43,107.03) v1(109.43,72.1) v1(109.43,69.18) v1(109.43,64.73) v1(109.43,49.78) v1(109.43,14.85) v1(109.43,11.93) v1(109.43,7.48) v1(109.94,120.11) v1(109.94,118.84) v1(109.94,62.86) v1(109.94,61.59) v1(111.08,75.53) v1(111.08,18.28) v1(111.34,72.1) v1(111.34,70.32) v1(111.34,14.85) v1(111.34,13.07) v1(111.47,107.03) v1(111.47,49.78) v1(117.56,114.39) v1(117.56,113.12) v1(117.56,57.14) v1(117.56,55.87) v1(122.01,85.31) v1(122.01,28.06) v1(122.64,120.11) v1(122.64,118.84) v1(122.64,62.86) v1(122.64,61.59) v1(125.44,77.31) v1(125.44,72.86) v1(125.44,20.06) v1(125.44,15.61) v1(126.96,105.25) v1(126.96,48) v1(127.09,82.9) v1(127.09,25.65) v1(127.29,86.65) v1(127.29,29.4) v1(127.59,72.48) v1(127.59,69.81) v1(127.59,15.23) v1(127.59,12.56) v1(127.72,120.11) v1(127.72,118.84) v1(127.72,62.86) v1(127.72,61.59) v1(128.48,105.25) v1(128.48,48) v1(128.61,82.9) v1(128.61,25.65) v1(130.13,82.9) v1(130.13,25.65) v1(131.79,100.17) v1(131.79,42.92) v1(133.06,99.41) v1(133.06,42.16) v1(133.31,77.31) v1(133.31,72.86) v1(133.31,20.06) v1(133.31,15.61) v1(135.34,114.39) v1(135.34,113.12) v1(135.34,57.14) v1(135.34,55.87) v1(137.5,106.01) v1(137.5,103.47) v1(137.5,48.76) v1(137.5,46.22) v1(138.26,93.06) v1(138.26,91.02) v1(138.26,88.99) v1(138.26,86.96) v1(138.26,35.81) v1(138.26,33.77) v1(138.26,31.74) v1(138.26,29.71)